# KiCad board 8851_HW-U1-VCU118_REV2-0_071417.kicad_pcb (continued)
## Routing (per net, layer and track width the routed paths; a pad name or vN(x,y) marks a point on that pad's centre or on a via; arc(x,y) is an arc through that point) (continued)
FMCP_HSPC_DP17_C2M_P: length 148.9
  TOP w0.102: J22.M30 v3(69,169.5)
  TOP w0.113: 99.15,83.01 v2(98.66,83.51)
  05_SIG2 w0.107: 100.33,88.14 100.32,88.13 arc(100.78,87.82) 100.24,87.93 100.24,86.19 arc(100.14,85.96) 99.91,85.86 99.46,85.86 arc(99.31,85.8) 99.25,85.65 99.25,84.21 arc(99.16,83.99) 98.94,83.9 98.88,83.9 arc(98.72,83.84) 98.66,83.68 v2(98.66,83.51)
  05_SIG2 w0.15: 100.33,88.14 100.33,88.41 arc(100.41,88.8) 100.63,89.14 101.08,89.58 arc(101.69,90.51) 101.9,91.6 101.9,106.68 arc(101.87,107.13) 101.76,107.58 arc(101.47,108.19) 101.05,108.73 100.68,109.09 arc(100.58,109.24) 100.55,109.42 100.55,119.68 arc(100.33,120.78) 99.71,121.72 99.24,122.19 arc(98.18,122.89) 96.94,123.14 95.64,123.14 arc(95.34,123.2) 95.09,123.37 94.62,123.84 arc(94.18,124.13) 93.66,124.24 78.82,124.24 arc(78.99,124.65) 78.58,124.48 78.58,124.72 arc(78.63,124.87) 78.78,124.92 81.25,124.92 arc(81.71,125.12) 81.9,125.58 81.9,128.04 arc(81.42,129.2) 80.27,129.68 78.4,129.68 arc(78.17,129.72) 77.97,129.85 76.8,131.03 arc(78.37,132.07) 76.52,131.7 76.52,133.97 arc(76.19,134.75) 75.41,135.08 72.18,135.08 arc(71.59,135.2) 71.08,135.54 70.51,136.1 arc(69.98,136.32) 69.45,136.1 68.25,134.91 arc(67.99,134.8) 67.72,134.91 arc(68.36,135.17) 67.72,135.44 68.92,136.63 arc(69.14,137.16) 68.92,137.69 67.01,139.6 arc(66.38,140.55) 66.16,141.66 66.16,142.06 arc(66.08,142.48) 65.84,142.84 65.74,142.94 arc(65.04,143.98) 64.8,145.21 64.8,148.08 arc(69.25,147.19) 65.47,149.72 66.77,151.01 arc(67.16,151.6) 67.3,152.29 67.3,153.57 67.33,153.6 67.33,155.13 67.3,155.16 67.3,156.22 67.33,156.24 67.33,157.18 arc(67.72,157.1) 67.39,157.33 67.43,157.37 arc(67.5,157.42) 67.59,157.44 67.84,157.44 arc(68.08,157.49) 68.29,157.62 68.38,157.71 arc(68.51,157.92) 68.56,158.16 68.56,168.45 arc(68.68,169.02) v3(69,169.5)
FMCP_HSPC_DP17_M2C_N: length 162.4
  TOP w0.102: J22.Y35 v3(62.75,153.25)
  TOP w0.113: v2(101.61,87.44) 102.1,86.95
  07_SIG3 w0.107: v2(101.61,87.44) 101.61,87.16 arc(101.79,87.24) 101.72,87.05 101.8,87.05 arc(101.95,87.11) 102.01,87.26 102.01,87.91 arc(101.99,88) 101.94,88.07 101.82,88.2 arc(102.94,88.95) 101.62,88.68 101.62,89.08 101.53,89.17 101.53,89.19
  07_SIG3 w0.15: 101.53,89.19 101.53,100.7 arc(101.72,101.67) 102.27,102.48 104.37,104.58 arc(104.59,104.93) 104.67,105.33 104.67,107.95 arc(104.56,108.5) 104.25,108.97 arc(105.92,110.09) 103.95,109.7 103.95,121.42 arc(109.93,120.23) 104.86,123.62 arc(105.26,124.21) 105.4,124.92 105.4,126.36 arc(105.04,128.17) 104.01,129.71 102.98,130.74 arc(110.05,135.46) 101.71,133.8 101.71,135.03 arc(101.38,135.37) 101.04,135.03 101.04,132.4 arc(100.56,131.7) 99.73,131.9 arc(100.99,132.67) 99.54,132.4 99.54,133.7 arc(99.2,134.04) 98.86,133.7 98.86,132.4 arc(98.65,131.87) 98.11,131.65 95.63,131.65 arc(96.16,132.93) 94.88,132.4 94.88,133.89 arc(94.54,134.23) 94.2,133.89 94.2,133.41 arc(93.98,132.87) 93.44,132.65 92.75,132.65 arc(92.11,132.78) 91.57,133.14 89.97,134.74 arc(89.4,135.6) 89.2,136.61 89.2,138.5 arc(89.11,138.92) 88.87,139.28 78.67,149.48 arc(77.86,150.03) 76.89,150.22 68.84,150.22 arc(67.94,150.4) 67.17,150.91 66.45,151.63 arc(66.35,151.72) 66.25,151.81 arc(65.78,152.04) 65.27,152.12 63.99,152.12 arc(63.89,152.13) 63.79,152.16 arc(63.65,152.22) 63.54,152.31 63.46,152.39 arc(63.39,152.48) 63.35,152.58 63.32,152.69 arc(63.31,152.74) 63.3,152.8 63.3,153.03 arc(63.3,153.03) 63.3,153.03 arc(63.24,153.19) 63.08,153.25 v3(62.75,153.25)
FMCP_HSPC_DP17_M2C_P: length 152.8
  TOP w0.102: J22.Y34 v3(64,153.25)
  TOP w0.113: v2(101.61,86.46) 102.1,85.97
  07_SIG3 w0.107: 101.9,89.19 101.9,89.17 101.82,89.08 101.82,88.68 arc(102.76,88.87) 101.96,88.34 102.09,88.21 arc(102.18,88.07) 102.21,87.91 102.21,87.26 arc(102.09,86.97) 101.8,86.85 101.72,86.85 arc(101.64,86.82) 101.61,86.74 v2(101.61,86.46)
  07_SIG3 w0.15: 101.9,89.19 101.9,100.7 arc(102.07,101.52) 102.53,102.22 104.63,104.32 arc(104.94,104.78) 105.05,105.33 105.05,107.95 arc(104.91,108.65) 104.52,109.24 arc(105.57,109.95) 104.33,109.7 104.33,121.42 arc(109.58,120.37) 105.12,123.35 arc(105.61,124.07) 105.78,124.92 105.78,126.36 arc(105.39,128.32) 104.28,129.98 103.25,131 arc(109.7,135.32) 102.09,133.8 102.09,135.03 arc(101.38,135.75) 100.66,135.03 100.66,132.4 arc(100.42,132.05) 100.01,132.15 arc(100.64,132.54) 99.91,132.4 99.91,133.7 arc(99.2,134.41) 98.49,133.7 98.49,132.4 arc(98.38,132.14) 98.11,132.03 95.63,132.03 arc(95.89,132.67) 95.25,132.4 95.25,133.89 arc(94.54,134.6) 93.83,133.89 93.83,133.41 arc(93.71,133.14) 93.44,133.03 92.75,133.03 arc(92.26,133.12) 91.84,133.4 90.24,135.01 arc(89.74,135.74) 89.57,136.61 89.57,138.5 arc(89.46,139.07) 89.14,139.54 78.94,149.75 arc(78,150.37) 76.89,150.59 68.84,150.59 arc(68.08,150.75) 67.43,151.18 66.71,151.9 arc(66.59,152.01) 66.47,152.11 arc(65.9,152.4) 65.27,152.5 63.99,152.5 arc(63.95,152.5) 63.91,152.51 arc(63.85,152.54) 63.81,152.57 63.72,152.66 arc(63.72,152.67) 63.71,152.67 63.68,152.79 63.68,152.79 arc(63.71,152.92) 63.78,153.03 v3(64,153.25)
FMCP_HSPC_DP18_C2M_N: length 215.5
  TOP w0.102: J22.M35 v3(62.75,169.5)
  TOP w0.113: 97.18,84 v2(96.69,84.49)
  03_SIG1 w0.107: v2(96.69,84.49) 96.69,84.21 arc(96.87,84.28) 96.8,84.1 96.9,84.1 arc(97.03,84.15) 97.08,84.27 97.08,88 arc(97.05,88.11) 96.99,88.21 96.99,88.21
  03_SIG1 w0.15: 96.99,88.21 96.99,97.47 arc(97.12,98.15) 97.51,98.72 98.26,99.48 arc(98.45,99.76) 98.52,100.1 98.52,101.11 arc(102.65,100.29) 99.15,102.63 100.98,104.46 arc(101.57,105.35) 101.78,106.39 101.78,110.21 arc(104.65,109.64) 102.22,111.27 102.31,111.36 arc(102.59,111.78) 102.68,112.27 102.68,120.34 arc(102.46,121.45) 101.84,122.39 101.33,122.9 arc(101.05,123.08) 100.72,123.15 99.43,123.15 arc(99.1,123.21) 98.83,123.4 98.44,123.78 arc(98.06,124.04) 97.62,124.12 97.28,124.12 arc(96.72,124.24) 96.25,124.55 95.6,125.2 arc(95.41,125.33) 95.17,125.38 88.18,125.38 arc(88.01,125.34) 87.88,125.25 arc(87.52,125.01) 87.09,124.93 72.32,124.93 arc(71.33,125.12) 70.48,125.68 arc(69.96,126.47) 69.78,127.4 69.78,127.78 arc(69.75,127.91) 69.67,128.02 68.93,128.76 arc(68.81,128.85) 68.66,128.88 68.1,128.88 arc(67.86,128.92) 67.66,129.06 67.38,129.34 arc(79.67,137.55) 65.17,134.67 65.17,138.01 arc(65.09,138.46) 64.83,138.84 64.36,139.31 arc(68.85,142.31) 63.55,141.26 63.55,143.57 arc(63.37,144.49) 62.85,145.26 61.24,146.88 arc(61.09,147.1) 61.03,147.37 61.03,147.4 arc(61.03,147.44) 61.01,147.47 57.34,151.14 arc(59.62,152.66) 56.92,152.13 56.92,153.31 arc(56.9,153.43) 56.83,153.54 56.77,153.6 arc(56.68,153.66) 56.58,153.68 56.38,153.68 arc(56.16,153.73) 55.97,153.85 55.78,154.04 arc(56.73,154.68) 55.61,154.46 55.61,158.55 arc(55.54,158.86) 55.36,159.13 53.5,161 arc(55.41,162.27) 53.16,161.82 arc(53.29,162.52) 53.69,163.12 54.07,163.49 arc(54.27,163.8) 54.34,164.16 54.34,165.4 arc(54.48,166.08) 54.86,166.65 55.74,167.53 arc(56.05,167.74) 56.43,167.81 62.92,167.81 arc(62.98,167.83) 63.03,167.86 63.14,167.98 arc(63.18,168.03) 63.19,168.08 63.19,169.36 arc(63.14,169.46) 63.04,169.5 v3(62.75,169.5)
FMCP_HSPC_DP18_C2M_P: length 196.3
  TOP w0.102: J22.M34 v3(64,169.5)
  TOP w0.113: v2(96.69,83.51) 97.18,83.01
  03_SIG1 w0.107: v2(96.69,83.51) 96.69,83.79 arc(96.72,83.87) 96.8,83.9 96.9,83.9 arc(97.17,84.01) 97.28,84.27 97.28,88 arc(97.3,88.11) 97.36,88.21
  03_SIG1 w0.15: 97.36,88.21 97.36,97.47 arc(97.47,98) 97.77,98.46 98.53,99.21 arc(98.8,99.62) 98.9,100.1 98.9,101.11 arc(99.03,101.79) 99.42,102.37 101.25,104.2 arc(101.92,105.2) 102.15,106.39 102.15,110.21 arc(104.3,109.78) 102.48,111 102.57,111.09 arc(102.93,111.63) 103.06,112.27 103.06,120.34 arc(102.81,121.59) 102.1,122.65 101.59,123.17 arc(101.19,123.43) 100.72,123.52 99.43,123.52 arc(99.25,123.56) 99.09,123.67 98.71,124.05 arc(98.21,124.38) 97.62,124.5 97.28,124.5 arc(96.86,124.58) 96.51,124.82 95.87,125.46 arc(95.55,125.68) 95.17,125.75 88.18,125.75 arc(87.87,125.69) 87.61,125.52 arc(87.37,125.36) 87.09,125.3 72.32,125.3 arc(71.47,125.47) 70.75,125.95 arc(70.31,126.61) 70.15,127.4 70.15,127.77 arc(70.09,128.05) 69.94,128.29 69.2,129.03 arc(68.95,129.19) 68.66,129.25 68.1,129.25 arc(68.01,129.27) 67.93,129.32 67.65,129.6 arc(79.32,137.4) 65.55,134.67 65.55,138.01 arc(65.43,138.6) 65.1,139.1 64.63,139.57 arc(68.5,142.16) 63.93,141.26 63.93,143.57 arc(63.72,144.63) 63.12,145.53 61.52,147.12 arc(62.17,147.55) 61.41,147.4 arc(61.37,147.58) 61.27,147.73 57.6,151.4 arc(59.27,152.52) 57.3,152.13 57.3,153.31 arc(57.25,153.58) 57.09,153.81 57.03,153.87 arc(56.82,154.01) 56.58,154.06 56.38,154.06 arc(56.3,154.07) 56.23,154.12 56.04,154.31 arc(56.38,154.54) 55.98,154.46 55.98,158.55 arc(55.89,159.01) 55.63,159.4 53.76,161.26 arc(55.06,162.13) 53.53,161.82 53.53,161.82 arc(53.64,162.38) 53.96,162.85 54.33,163.23 arc(54.62,163.65) 54.72,164.16 54.72,165.4 arc(54.82,165.93) 55.13,166.39 55.24,166.5 56,167.26 arc(56.2,167.39) 56.43,167.44 62.92,167.44 arc(63.12,167.48) 63.29,167.59 63.41,167.71 arc(63.52,167.88) 63.56,168.08 63.56,168.45 arc(63.56,168.52) 63.57,168.59 arc(63.7,169.08) 64,169.5 v3(64,169.5)
FMCP_HSPC_DP18_M2C_N: length 172.5
  TOP w0.102: J22.Z37 v3(60.25,154.5)
  TOP w0.113: v2(99.64,87.44) 100.13,86.95
  07_SIG3 w0.107: 99.94,88.27 99.94,88.24 100.03,88.15 100.03,87.22 arc(99.97,87.1) 99.85,87.05 99.75,87.05 arc(99.83,87.24) 99.64,87.16 v2(99.64,87.44)
  07_SIG3 w0.15: v3(60.25,154.5) 60.56,154.5 arc(60.65,154.46) 60.69,154.37 60.69,152.83 arc(60.75,152.5) 60.94,152.22 61.26,151.9 arc(61.54,151.69) 61.87,151.58 arc(61.98,151.56) 62.09,151.56 62.2,151.56 arc(62.47,151.5) 62.69,151.35 65.36,148.69 arc(65.69,148.47) 66.07,148.39 67.34,148.39 arc(67.54,148.31) 67.63,148.11 67.63,147.2 arc(68.32,147.89) 69.01,147.2 69.01,148.11 arc(69.29,148.39) 69.58,148.11 69.58,147.2 arc(70.27,147.89) 70.96,147.2 70.96,148.11 arc(71.24,148.39) 71.53,148.11 71.53,147.2 arc(72.22,147.89) 72.91,147.2 72.91,148.11 arc(73.19,148.39) 73.48,148.11 73.48,147.2 arc(74.17,147.89) 74.86,147.2 74.86,148.11 arc(74.94,148.31) 75.14,148.39 76.35,148.39 arc(77.79,148.11) 79.02,147.29 82.22,144.09 87.23,139.08 87.23,139.08 arc(87.59,138.54) 87.71,137.91 87.71,136.71 arc(94.84,138.13) 88.8,134.09 91.8,131.09 arc(92.47,130.64) 93.26,130.48 101.18,130.48 arc(101.55,130.41) 101.86,130.2 103.09,128.97 arc(103.72,128.04) 103.94,126.93 103.94,125.15 arc(103.79,124.4) 103.36,123.77 arc(102.93,123.12) 102.78,122.35 102.78,108.48 arc(106.29,109.17) 103.31,107.18 arc(103.4,107.06) 103.42,106.91 103.42,105.79 arc(103.35,105.41) 103.13,105.08 101.68,103.63 arc(101.31,103.21) 100.99,102.75 100.76,102.37 arc(112.11,97.69) 99.94,99.29 99.94,88.27
FMCP_HSPC_DP18_M2C_P: length 166.7
  TOP w0.102: J22.Z36 v3(61.5,154.5)
  TOP w0.113: v2(99.64,86.46) 100.13,85.97
  07_SIG3 w0.107: v2(99.64,86.46) 99.64,86.66 arc(99.7,86.8) 99.83,86.85 99.85,86.85 arc(100.12,86.96) 100.22,87.22 100.22,88.15 100.31,88.24 100.31,88.27
  07_SIG3 w0.15: 100.31,88.27 100.31,99.29 arc(111.75,97.79) 101.08,102.17 101.2,102.36 101.31,102.56 arc(101.6,102.98) 101.94,103.36 103.4,104.82 arc(103.7,105.26) 103.8,105.79 103.8,106.91 arc(103.74,107.2) 103.58,107.45 arc(105.94,109.03) 103.15,108.48 103.15,122.35 arc(103.27,122.97) 103.62,123.5 arc(104.13,124.26) 104.31,125.15 104.31,126.93 arc(104.06,128.18) 103.36,129.24 102.13,130.47 arc(101.69,130.76) 101.18,130.86 93.26,130.86 arc(92.61,130.99) 92.06,131.36 89.06,134.35 arc(94.5,137.98) 88.09,136.71 88.09,137.91 arc(87.93,138.68) 87.5,139.34 arc(87.49,139.34) 87.49,139.35 82.48,144.35 79.28,147.55 arc(77.94,148.45) 76.35,148.77 75.14,148.77 arc(74.68,148.58) 74.49,148.11 74.49,147.2 arc(74.17,147.51) 73.85,147.2 73.85,148.11 arc(73.19,148.77) 72.54,148.11 72.54,147.2 arc(72.22,147.51) 71.9,147.2 71.9,148.11 arc(71.24,148.77) 70.59,148.11 70.59,147.2 arc(70.27,147.51) 69.95,147.2 69.95,148.11 arc(69.29,148.77) 68.64,148.11 68.64,147.2 arc(68.32,147.51) 68,147.2 68,148.11 arc(67.81,148.58) 67.34,148.77 66.07,148.77 arc(65.83,148.82) 65.63,148.95 62.96,151.62 arc(62.61,151.85) 62.2,151.93 62.09,151.93 arc(62.02,151.94) 61.94,151.95 arc(61.72,152.03) 61.52,152.17 61.21,152.48 arc(61.1,152.64) 61.06,152.83 61.06,153.62 arc(61.21,154.1) v3(61.5,154.5)
FMCP_HSPC_DP19_C2M_N: length 174
  TOP w0.102: J22.M39 v3(57.75,169.5)
  TOP w0.113: 95.21,84 v2(94.72,84.49)
  03_SIG1 w0.107: v2(94.72,84.49) 94.72,84.4 arc(95.24,84.61) 95.02,84.1 95.02,84.1 arc(95.09,84.13) 95.11,84.19 95.11,87.69 arc(95.93,87.53) 95.24,88 arc(95.26,88.06) 95.26,88.12 95.26,88.33 arc(95.24,88.44) 95.18,88.54 95.18,88.56
  03_SIG1 w0.15: 95.18,88.56 95.18,96.84 arc(100.73,95.73) 96.02,98.88 97.05,99.91 arc(97.11,99.99) 97.12,100.08 97.12,101.3 arc(97.12,101.4) 97.11,101.5 arc(100.92,100.74) 97.69,102.9 97.86,103.06 100.31,105.51 arc(100.5,105.8) 100.57,106.13 100.57,119.91 arc(100.53,120.1) 100.42,120.26 99.01,121.68 arc(98.83,121.8) 98.61,121.84 97.81,121.84 arc(96.49,122.1) 95.38,122.85 94.7,123.52 arc(94.43,123.71) 94.1,123.78 71.77,123.78 arc(69.67,124.19) 67.88,125.39 67.03,126.24 arc(66.4,127.19) 66.17,128.3 arc(66.1,128.69) 65.88,129.02 62.98,131.91 arc(61.26,134.49) 60.66,137.53 60.66,143.5 arc(60.62,143.67) 60.53,143.81 60.29,144.05 arc(60.04,144.43) 59.95,144.87 59.95,146.02 arc(59.87,146.4) 59.66,146.72 54.74,151.64 arc(56.55,152.84) 54.42,152.42 54.42,153.08 arc(54.36,153.39) 54.18,153.65 52.25,155.58 arc(51.91,156.09) 51.79,156.7 51.79,162.26 arc(51.86,162.6) 52.05,162.88 arc(52.58,163.68) 52.77,164.61 52.77,165.52 arc(58.3,164.42) 53.61,167.56 54.23,168.18 arc(55.21,168.83) 56.37,169.06 58.18,169.06 arc(58.32,169.12) 58.4,169.25 arc(58.35,169.43) 58.18,169.5 v3(57.75,169.5)
FMCP_HSPC_DP19_C2M_P: length 149.8
  TOP w0.102: J22.M38 v3(59,169.5)
  TOP w0.113: v2(94.72,83.51) 95.21,83.01
  03_SIG1 w0.107: v2(94.72,83.51) 94.72,83.79 arc(94.75,83.87) 94.83,83.9 95.02,83.9 arc(95.23,83.98) 95.31,84.19 95.31,87.67 arc(95.34,87.77) 95.4,87.86 arc(95.41,87.89) 95.42,87.92 arc(95.45,88.02) 95.46,88.12 95.46,88.35 arc(96.04,88.24) 95.55,88.56
  03_SIG1 w0.15: 95.55,88.56 95.55,96.84 arc(100.38,95.88) 96.29,98.61 97.32,99.64 arc(97.45,99.84) 97.5,100.08 97.5,101.32 arc(97.49,101.41) 97.49,101.5 arc(97.61,102.11) 97.96,102.63 98.13,102.8 100.57,105.25 arc(100.85,105.65) 100.94,106.13 100.94,119.91 arc(100.88,120.25) 100.69,120.53 99.27,121.94 arc(98.97,122.15) 98.61,122.22 97.81,122.22 arc(96.64,122.45) 95.65,123.11 94.97,123.79 arc(94.57,124.06) 94.1,124.15 71.77,124.15 arc(69.81,124.54) 68.15,125.65 67.29,126.51 arc(66.74,127.33) 66.55,128.3 66.55,128.3 arc(66.44,128.83) 66.14,129.28 63.25,132.18 arc(61.61,134.63) 61.03,137.53 61.03,143.5 arc(60.97,143.81) 60.79,144.08 60.56,144.31 arc(61.86,145.18) 60.33,144.87 60.33,146.02 arc(60.22,146.55) 59.93,146.99 55.01,151.9 arc(56.2,152.7) 54.8,152.42 54.8,153.08 arc(54.71,153.53) 54.45,153.92 52.52,155.85 arc(52.26,156.24) 52.17,156.7 52.17,162.26 arc(52.21,162.45) 52.32,162.62 arc(52.93,163.53) 53.14,164.61 53.14,165.52 arc(53.33,166.48) 53.87,167.29 54.5,167.92 arc(55.35,168.49) 56.37,168.69 58.18,168.69 arc(58.57,168.83) 58.77,169.19 arc(58.78,169.26) 58.82,169.32 v3(59,169.5)
FMCP_HSPC_DP19_M2C_N: length 177.5
  TOP w0.102: J22.Y39 v3(57.75,153.25)
  TOP w0.113: v2(97.67,87.44) 98.17,86.95
  07_SIG3 w0.107: v2(97.67,87.44) 97.67,87.11 arc(97.86,87.18) 97.76,87 97.78,87 97.84,87 arc(98.01,87.07) 98.08,87.23 98.08,87.98 97.99,88.06 97.99,88.09
  07_SIG3 w0.15: v3(57.75,153.25) 57.92,153.25 arc(58.09,153.18) 58.16,153.01 58.16,151.19 arc(58.47,150.4) 59.24,150.03 59.26,150.01 59.49,150.01 arc(59.54,150) 59.6,150 arc(60.16,149.89) 60.64,149.57 61.31,148.9 arc(61.36,148.86) 61.41,148.82 arc(61.67,148.69) 61.96,148.64 62.84,148.64 arc(63.13,148.59) 63.37,148.42 65.85,145.95 arc(66.87,145.27) 68.07,145.03 68.59,145.03 arc(68.79,144.95) 68.87,144.75 68.87,143.74 arc(69.56,144.43) 70.26,143.74 70.26,144.75 arc(70.54,145.03) 70.82,144.75 70.82,143.74 arc(72.13,144.06) 71.11,143.18 arc(71.83,143.12) 72.21,143.74 72.21,144.75 arc(72.49,145.03) 72.77,144.75 72.77,143.74 arc(73.46,144.43) 74.16,143.74 74.16,144.75 arc(74.44,145.03) 74.72,144.75 74.72,143.74 arc(76.06,143.99) 74.89,143.28 arc(75.66,143.09) 76.11,143.74 76.11,144.75 arc(76.19,144.95) 76.39,145.03 78.12,145.03 arc(79.28,144.8) 80.27,144.14 85.93,138.47 arc(86.38,137.81) 86.53,137.02 86.53,135.47 arc(90.75,136.31) 87.17,133.92 91.53,129.56 arc(92.7,128.78) 94.09,128.5 101.24,128.5 arc(102.25,128.08) 102.67,127.08 102.67,126.34 arc(102.58,125.9) 102.33,125.53 100.94,124.14 arc(105.09,121.37) 100.2,122.34 100.2,110.89 arc(100.29,110.44) 100.55,110.05 arc(100.94,109.47) 101.08,108.78 101.08,105.3 arc(100.97,104.79) 100.69,104.36 100.52,104.2 arc(111.98,96.55) 98.47,99.23 98.47,89.42 arc(98.44,89.28) 98.36,89.17 arc(98.08,88.75) 97.99,88.27 97.99,88.09
FMCP_HSPC_DP19_M2C_P: length 137.1
  TOP w0.102: J22.Y38 v3(59,153.25)
  TOP w0.113: v2(97.67,86.46) 98.17,85.97
  07_SIG3 w0.107: v2(97.67,86.46) 97.67,86.69 arc(97.71,86.77) 97.78,86.8 97.84,86.8 arc(98.15,86.93) 98.28,87.23 98.28,87.98 98.36,88.06 98.36,88.09
  07_SIG3 w0.15: 98.36,88.09 98.36,88.27 arc(98.43,88.61) 98.62,88.9 arc(98.79,89.14) 98.84,89.42 98.84,99.23 arc(99.35,101.78) 100.79,103.94 100.95,104.1 arc(101.32,104.65) 101.45,105.3 101.45,108.78 arc(101.28,109.61) 100.82,110.32 arc(100.64,110.58) 100.58,110.89 100.58,122.34 arc(104.74,121.52) 101.21,123.88 102.59,125.26 arc(102.93,125.76) 103.04,126.34 103.04,127.08 arc(102.52,128.35) 101.24,128.88 94.09,128.88 arc(92.85,129.12) 91.79,129.83 87.44,134.18 arc(90.41,136.17) 86.91,135.47 86.91,137.24 arc(86.76,137.97) 86.35,138.58 80.53,144.41 arc(79.43,145.14) 78.12,145.4 76.39,145.4 arc(75.92,145.21) 75.73,144.75 75.73,143.74 arc(75.52,143.44) 75.17,143.53 arc(75.71,143.85) 75.09,143.74 75.09,144.75 arc(74.44,145.4) 73.78,144.75 73.78,143.74 arc(73.46,144.06) 73.14,143.74 73.14,144.75 arc(72.49,145.4) 71.83,144.75 71.83,143.74 arc(71.66,143.46) 71.33,143.48 arc(71.8,143.88) 71.19,143.74 71.19,144.75 arc(70.54,145.4) 69.88,144.75 69.88,143.74 arc(69.56,144.06) 69.24,143.74 69.24,144.75 arc(69.05,145.21) 68.59,145.4 68.07,145.4 arc(67.01,145.61) 66.11,146.21 63.64,148.69 arc(63.27,148.93) 62.84,149.02 61.96,149.02 arc(61.79,149.05) 61.63,149.12 61.09,149.66 arc(61.05,149.7) 61.01,149.74 arc(60.96,149.78) 60.92,149.82 60.91,149.84 arc(60.31,150.24) 59.6,150.38 arc(59.56,150.38) 59.52,150.38 arc(59.52,150.38) 59.52,150.38 59.27,150.4 arc(58.75,150.65) 58.53,151.19 58.53,151.46 58.53,152.25 arc(58.63,152.75) 58.91,153.16 v3(59,153.25)
FMCP_HSPC_DP20_C2M_N: length 163.6
  TOP w0.102: J22.Z9 v3(95.25,154.5)
  TOP w0.113: v2(137.04,84.49) 136.55,84
  03_SIG1 w0.107: v2(137.04,84.49) 137.04,84.21 arc(137.01,84.13) 136.94,84.1 136.83,84.1 arc(136.79,84.11) 136.75,84.13 136.68,84.2 arc(136.86,84.32) 136.65,84.28 136.65,87.84 arc(137.23,87.73) 136.74,88.05
  03_SIG1 w0.15: 136.74,88.05 136.74,90.83 arc(136.85,91.11) 137.13,91.22 138.18,91.22 arc(138.84,91.88) 138.18,92.54 137.04,92.54 arc(137.36,92.85) 137.04,93.17 138.18,93.17 arc(138.84,93.83) 138.18,94.49 137.04,94.49 arc(137.36,94.8) 137.04,95.12 138.18,95.12 arc(138.84,95.78) 138.18,96.44 137.04,96.44 arc(137.27,96.98) 136.72,96.75 136.72,97.35 arc(136.9,98.22) 137.39,98.97 137.84,99.41 arc(138.13,99.85) 138.24,100.37 138.24,100.59 arc(138.19,100.87) 138.05,101.12 138.05,101.13 137.94,101.24 arc(138.81,101.82) 137.79,101.61 137.79,106.58 arc(137.95,107.39) 138.41,108.08 139.17,108.84 arc(139.61,109.5) 139.77,110.29 139.77,110.63 arc(139.87,111.14) 140.16,111.57 140.44,111.85 arc(140.7,112.23) 140.79,112.69 140.79,113.06 arc(140.73,113.36) 140.56,113.62 140.46,113.72 arc(140.28,113.98) 140.22,114.3 140.22,121.51 arc(141.79,121.2) 140.46,122.09 arc(140.63,122.21) 140.84,122.25 142.64,122.25 arc(144.34,122.59) 145.77,123.55 149.05,126.83 arc(149.48,127.46) 149.63,128.21 149.63,136.6 arc(149.57,136.9) 149.39,137.16 arc(149.02,137.42) 148.57,137.51 146.25,137.51 arc(145.82,137.59) 145.45,137.84 139.68,143.61 arc(139.24,143.91) 138.72,144.01 137.21,144.01 arc(136.97,144.06) 136.78,144.19 133.87,147.09 arc(139.13,150.61) 132.93,149.37 132.93,150.53 arc(132.81,151.11) 132.48,151.6 131.44,152.64 arc(130.68,153.15) 129.78,153.33 120.72,153.33 arc(119.5,153.57) 118.46,154.27 115.49,157.23 arc(114.38,157.98) 113.06,158.24 109.98,158.24 arc(108.94,158.03) 108.05,157.44 107.61,157 arc(107.12,156.68) 106.56,156.56 96.35,156.56 arc(95.88,156.37) 95.69,155.9 95.69,154.8 arc(95.6,154.59) 95.39,154.5 v3(95.25,154.5)
FMCP_HSPC_DP20_C2M_P: length 178.1
  TOP w0.102: J22.Z8 v3(96.5,154.5)
  TOP w0.113: v2(137.04,83.51) 136.55,83.01
  03_SIG1 w0.107: v2(137.04,83.51) 137.04,83.79 arc(137.01,83.87) 136.94,83.9 136.83,83.9 arc(136.71,83.92) 136.61,83.99 136.54,84.06 arc(137.04,84.39) 136.45,84.28 136.45,87.83 arc(136.43,87.93) 136.37,88.02 136.36,88.03 136.36,88.05
  03_SIG1 w0.15: v3(96.5,154.5) 96.19,154.5 arc(96.29,154.73) 96.06,154.63 96.06,155.9 arc(96.15,156.1) 96.35,156.19 106.56,156.19 arc(107.27,156.33) 107.87,156.73 108.31,157.18 arc(109.08,157.69) 109.98,157.87 113.06,157.87 arc(114.23,157.63) 115.23,156.97 118.19,154 arc(119.35,153.23) 120.72,152.96 129.78,152.96 arc(130.53,152.8) 131.17,152.38 132.21,151.34 arc(132.46,150.96) 132.55,150.53 132.55,149.37 arc(139.48,150.75) 133.6,146.83 136.51,143.92 arc(136.83,143.71) 137.21,143.63 138.72,143.63 arc(139.09,143.56) 139.41,143.35 145.19,137.57 arc(145.68,137.25) 146.25,137.13 148.57,137.13 arc(148.87,137.07) 149.13,136.9 arc(149.22,136.76) 149.25,136.6 149.25,128.21 arc(149.13,127.61) 148.79,127.09 145.51,123.81 arc(144.19,122.93) 142.64,122.62 140.84,122.62 arc(140.49,122.55) 140.19,122.36 arc(142.13,121.06) 139.84,121.51 139.84,114.3 arc(139.93,113.84) 140.19,113.45 140.29,113.36 arc(140.38,113.22) 140.42,113.06 140.42,112.69 arc(140.35,112.38) 140.18,112.12 139.89,111.83 arc(142.67,109.98) 139.4,110.63 139.4,110.29 arc(139.27,109.65) 138.9,109.1 138.14,108.34 arc(137.6,107.53) 137.41,106.58 137.41,101.61 arc(139.16,101.96) 137.68,100.97 137.72,100.93 arc(137.74,100.91) 137.76,100.89 arc(137.83,100.75) 137.86,100.59 137.86,100.37 arc(137.79,100) 137.57,99.68 137.13,99.23 arc(136.55,98.37) 136.35,97.35 136.35,96.75 arc(137.53,97.24) 137.04,96.06 138.18,96.06 arc(138.46,95.78) 138.18,95.5 137.04,95.5 arc(137.73,94.8) 137.04,94.11 138.18,94.11 arc(138.46,93.83) 138.18,93.55 137.04,93.55 arc(137.73,92.85) 137.04,92.16 138.18,92.16 arc(138.46,91.88) 138.18,91.6 137.13,91.6 arc(136.59,91.37) 136.36,90.83 136.36,89.78 arc(136.28,89.56) 136.06,89.48 136,89.48 arc(136.3,89.18) 136,88.88 136.06,88.88 arc(136.28,88.79) 136.36,88.58 136.36,88.05
FMCP_HSPC_DP20_M2C_N: length 140.1
  TOP w0.102: J22.M15 v3(87.75,169.5)
  TOP w0.113: v2(136.06,87.44) 135.57,86.95
  05_SIG2 w0.107: 135.77,88.85 135.73,88.8 arc(136.03,88.6) 135.68,88.67 135.68,87.18 arc(135.89,87.26) 135.8,87.05 135.95,87.05 arc(136.03,87.08) 136.06,87.16 v2(136.06,87.44)
  05_SIG2 w0.15: 135.77,88.85 135.77,100.01 arc(135.33,102.23) 134.07,104.11 arc(138.53,107.08) 133.28,106.04 133.28,108 arc(133.67,109.99) 134.8,111.67 135,111.88 arc(135.26,112.26) 135.35,112.72 135.35,114.68 arc(135.42,115.04) 135.63,115.36 136.65,116.37 arc(136.8,116.47) 136.97,116.51 arc(137.29,116.57) 137.55,116.75 137.63,116.82 arc(138.01,117.4) 138.15,118.08 138.15,124.07 arc(138.06,124.54) 137.79,124.94 arc(137.13,125.93) 136.9,127.09 136.9,130.31 arc(135.56,137.06) 131.73,142.78 124.05,150.47 arc(123.88,150.71) 123.83,151.01 123.83,151.23 arc(123.74,151.67) 123.49,152.04 123.29,152.24 arc(121.76,153.27) 119.95,153.63 arc(119.47,153.72) 119.06,153.99 117.18,155.88 arc(116.66,156.66) 116.47,157.58 116.47,157.93 arc(116.36,158.53) 116.02,159.04 arc(115.58,159.69) 115.43,160.46 115.43,163.18 arc(114.99,165.38) 113.74,167.25 112.12,168.87 arc(109.21,170.82) 105.78,171.5 89.97,171.5 89.97,171.5 arc(89.3,171.37) 88.73,170.98 88.09,170.34 arc(89.05,169.7) 87.91,169.92 87.91,169.9 arc(87.9,169.78) 87.86,169.67 arc(87.82,169.58) v3(87.75,169.5)
FMCP_HSPC_DP20_M2C_P: length 219.1
  TOP w0.102: J22.M14 v3(89,169.5)
  TOP w0.113: v2(136.06,86.46) 135.57,85.97
  05_SIG2 w0.107: 135.4,88.85 135.4,88.84 arc(135.46,88.77) 135.47,88.67 135.47,87.18 arc(136.03,87.41) 135.8,86.85 135.95,86.85 arc(136.03,86.82) 136.06,86.74 v2(136.06,86.46)
  05_SIG2 w0.15: 135.4,88.85 135.4,100.01 arc(134.99,102.08) 133.81,103.84 arc(138.87,107.23) 132.9,106.04 132.9,108 arc(143.61,105.87) 134.53,111.94 134.73,112.14 arc(134.91,112.41) 134.97,112.72 134.97,114.68 arc(137.55,114.16) 135.37,115.62 136.38,116.64 arc(136.65,116.82) 136.97,116.88 136.97,116.88 arc(137.14,116.92) 137.29,117.01 137.36,117.09 arc(137.67,117.54) 137.78,118.08 137.78,124.07 arc(137.71,124.4) 137.53,124.67 arc(143.09,128.4) 136.53,127.09 136.53,130.31 arc(135.21,136.91) 131.47,142.52 123.78,150.2 arc(125.64,151.44) 123.45,151.01 123.45,151.23 arc(123.39,151.53) 123.22,151.78 123.02,151.98 arc(121.61,152.92) 119.95,153.25 arc(119.33,153.37) 118.8,153.73 116.91,155.61 arc(121.44,158.64) 116.1,157.58 116.1,157.93 arc(116.01,158.39) 115.75,158.78 arc(119.64,161.37) 115.05,160.46 115.05,163.18 arc(114.64,165.24) 113.47,166.99 111.85,168.61 arc(109.07,170.47) 105.78,171.12 89.97,171.12 arc(89.44,171.02) 88.99,170.72 88.35,170.08 arc(88.7,169.84) 88.29,169.93 88.29,169.58 arc(88.81,169.79) 88.6,169.27 arc(88.75,169.3) 88.89,169.39 v3(89,169.5)
